# Altium PCB BetaPCB.PcbDoc (part 2 of 2)
Units mil, origin at the board's own origin, x right, y up, seen from the top; angles counter-clockwise.
Board outline 6399.21 x 5314.96 mil, 4 copper layers (Top Layer1, Inner Layer2, Inner Layer3, Bottom Layer4), stack 60.912 mil thick; 153 components, 99 nets, 653 pads, 600 vias.
Unrouted connection lines stored in the file: 55.
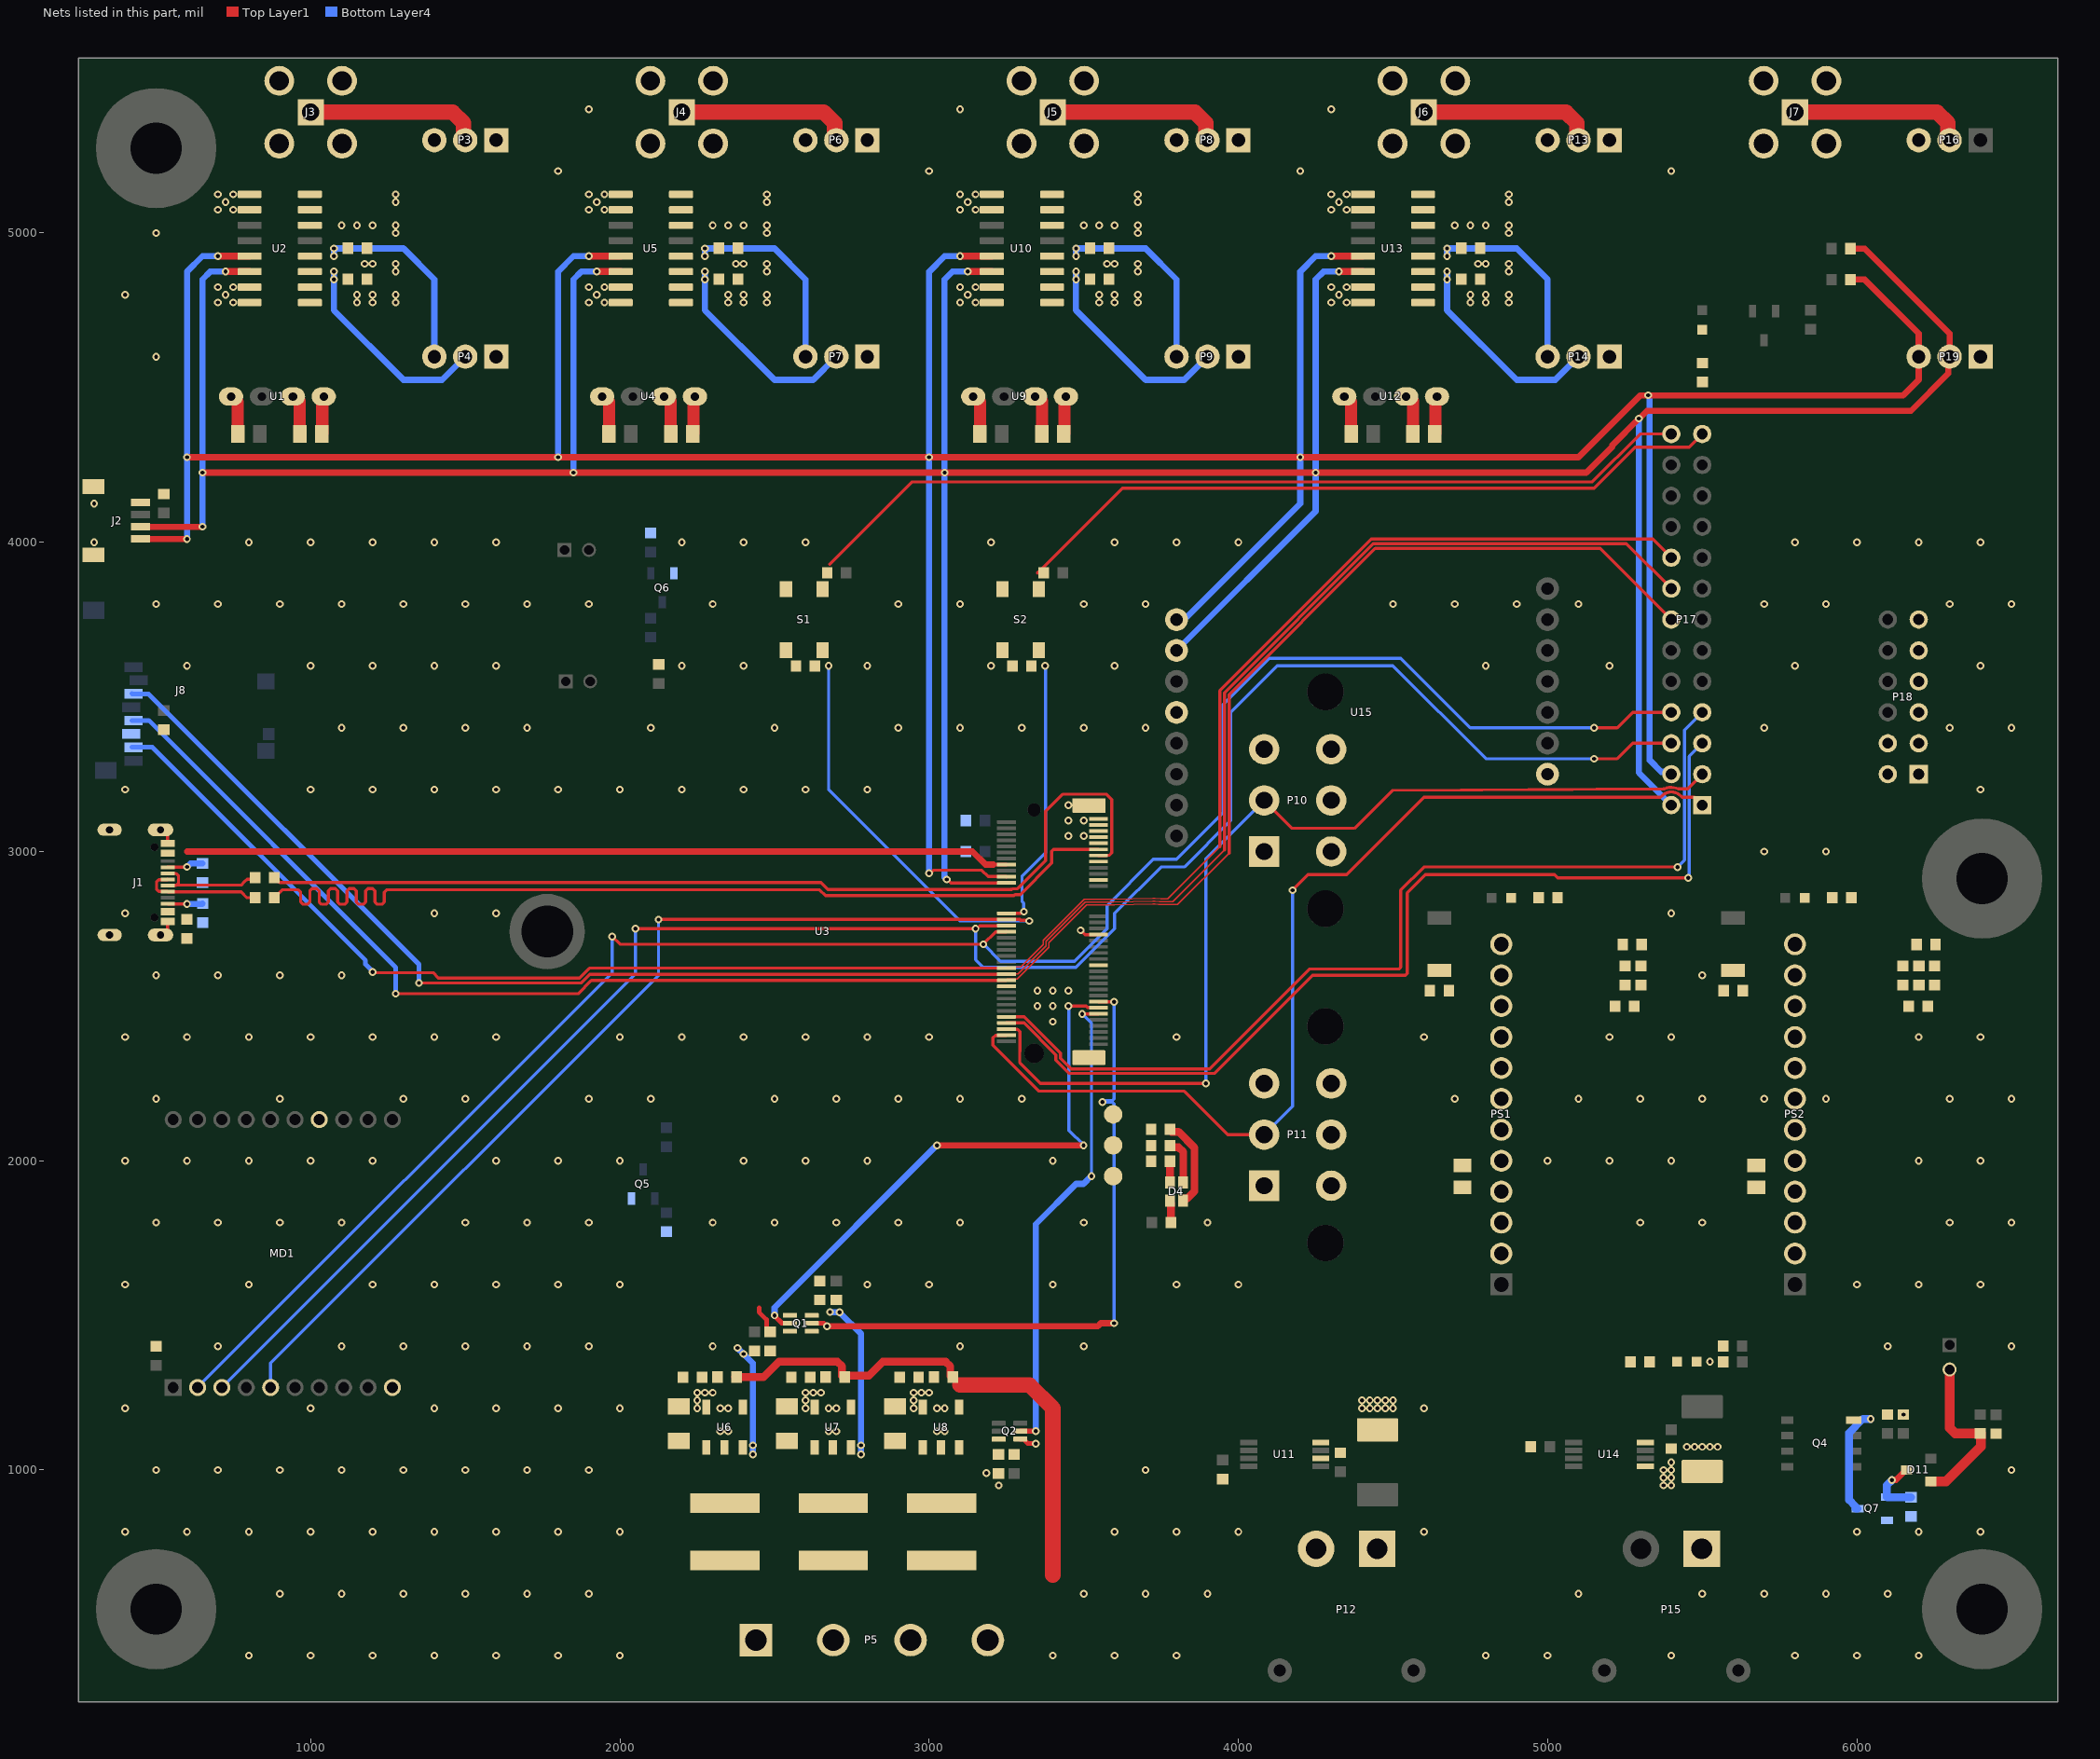
[diagram p4: the nets of this part, all layers, seen from the top]

## Via types
v1: diameter 25, hole 13, Top Layer1 to Bottom Layer4, tented both sides, 340 vias
v2: diameter 25, hole 13, Top Layer1 to Bottom Layer4, 260 vias

## Nets (pads, with @x,y where several pads share a name; then routed paths per layer and width w, separated by ;. In a path a pad name is that pad's centre, name@x,y a point inside that pad or via, vN(x,y) a via of type N, cw(c..) or ccw(c..) an arc to the next point about the centre after c; other vN are vias at no path point) (continued)
GND: C1.1 C2.1 C3.1 C4.1 C5.2 C7.2 C9.1 C10.1 C11.1 C12.1 C13.2 C14.1 C17.2 C19.1 C20.1 C22.1 C23.1 C24.1 C25.1 J1.A1_B12 J1.B1_A12 J1.S1 J1.S2 J1.S3 J1.S4 J2.1 J2.S1 J2.S2 J8.6 MD1.10 MD1.14 P10.4 P10.5 P10.6 P11.4 P11.5 P11.6 P12.2 P15.1 P18.1 P18.3 P18.5 P18.7 P18.9 P18.11 P19.1 PS1.5 PS1.6 PS1.7 PS1.8 PS2.5 PS2.6 PS2.7 PS2.8 Q1.1 Q1.4 Q2.4 Q5.2 Q6.2 Q7.2 R5.1 R10.1 R11.1 R16.1 R25.1 R29.2 R30.1 R31.1 R34.2 R35.1 R37.2 R38.1 R43.2 R46.1 R49.1 R51.1 R52.1 R54.1 R56.1 R57.1 R58.1 R59.1 S1.2 S2.2 U1.1 U2.1 U2.2 U2.7 U2.8 U3.1 U3.3 U3.5 U3.7 U3.9 U3.15 U3.21 U3.39 U3.49 U3.56 U3.S1 U3.S2 U4.1 U5.1 U5.2 U5.7 U5.8 U6.2 U7.2 U8.2 U9.1 U10.1 U10.2 U10.7 U10.8 U11.4 U12.1 U13.1 U13.2 U13.7 U13.8 U14.4 U15.4 U15.9 | length 864.4
  Top Layer1 w10: J1.S4@514.57,2729.92 522.73,2729.92 537.2,2744.4 J1.B1_A12@537.2,2774.02 ; J1.S1@514.57,3070.08 522.73,3070.08 537.2,3055.6 J1.A1_B12@537.2,3025.98 ; v1(3490,2745) 3503.9,2731.1 U3.39@3547.24,2731.1
  Top Layer1 w15: 2450,1525 2450,1510.31 2474.23,1486.08 2474.23,1456.08 2483.86,1446.46 R10.1@2485.04,1446.46 ; Q2.4@3295.08,1100 3309.84,1100 3310.22,1099.63 3310.22,1094.74 3319,1085.96 3344.04,1085.96 v1(3345,1085)
  Top Layer1 w39.37: U1.1@742.52,4471.26 747.04,4471.26 764.57,4453.73 C5.2@764.57,4350 ; U4.1@1942.52,4471.26 1947.04,4471.26 1964.57,4453.73 C7.2@1964.57,4350 ; U9.1@3142.52,4471.26 3147.04,4471.26 3164.57,4453.73 C13.2@3164.57,4350 ; U12.1@4342.52,4471.26 4347.04,4471.26 4364.57,4453.73 C17.2@4364.57,4350
  other v1: 3225,950 3185,990 2325,1125 2350,1125 2675,1125 2700,1125 3025,1125 3050,1125 6150.63,1179.45 2325,1200 2350,1200 2675,1200 2700,1200 3025,1200 3050,1200 3400,2450 3350,2500 3400,2500 3350,2550 3400,2550 3450,2550 3450,3050 3500,3050 3450,3100 3500,3100 3450,3150 300,4000 300,4125 700,4775 750,4775 1900,4775 1950,4775 3100,4775 3150,4775 4300,4775 4350,4775 725,4800 1925,4800 3125,4800 4325,4800 700,4825 750,4825 1900,4825 1950,4825 3100,4825 3150,4825 4300,4825 4350,4825 700,5075 750,5075 1900,5075 1950,5075 3100,5075 3150,5075 4300,5075 4350,5075 725,5100 1925,5100 3125,5100 4325,5100 700,5125 750,5125 1900,5125 1950,5125 3100,5125 3150,5125 4300,5125 4350,5125
  other v2: 800,400 1000,400 1200,400 1400,400 1600,400 1800,400 2000,400 3400,400 3600,400 3800,400 4800,400 5000,400 5400,400 5800,400 6000,400 6200,400 900,600 1100,600 1300,600 1500,600 1700,600 1900,600 3500,600 3700,600 3900,600 5100,600 5500,600 5700,600 5900,600 6100,600 400,800 600,800 800,800 1000,800 1200,800 1400,800 1600,800 1800,800 2000,800 3600,800 3800,800 4000,800 4600,800 6000,800 6200,800 6400,800 500,1000 700,1000 900,1000 1100,1000 1300,1000 1500,1000 1700,1000 1900,1000 3700,1000 6500,1000 400,1200 1000,1200 1400,1200 1600,1200 1800,1200 2000,1200 4600,1200 700,1400 1100,1400 1300,1400 1500,1400 1700,1400 1900,1400 2300,1400 3100,1400 3500,1400 6100,1400 6500,1400 400,1600 800,1600 1200,1600 1400,1600 1600,1600 1800,1600 2000,1600 2800,1600 3000,1600 3400,1600 3800,1600 4000,1600 6000,1600 6200,1600 6400,1600 500,1800 700,1800 900,1800 1100,1800 1500,1800 1700,1800 1900,1800 2300,1800 2500,1800 2700,1800 2900,1800 3100,1800 3500,1800 3900,1800 5300,1800 5500,1800 6300,1800 6500,1800 400,2000 600,2000 800,2000 1000,2000 1200,2000 1600,2000 1800,2000 2000,2000 2400,2000 2600,2000 2800,2000 3400,2000 5000,2000 5200,2000 5400,2000 6200,2000 6400,2000 500,2200 900,2200 1300,2200 1500,2200 1900,2200 2100,2200 2500,2200 2700,2200 2900,2200 3100,2200 3300,2200 4700,2200 5100,2200 5300,2200 5500,2200 5700,2200 5900,2200 6300,2200 6500,2200 400,2400 600,2400 800,2400 1000,2400 1200,2400 1400,2400 1600,2400 2000,2400 2200,2400 2400,2400 2600,2400 2800,2400 3000,2400 3800,2400 4600,2400 5200,2400 5400,2400 6200,2400 6400,2400 500,2600 700,2600 900,2600 1100,2600 5500,2600 400,2800 1400,2800 1600,2800 5400,2800 5700,3000 5900,3000 400,3200 1000,3200 1200,3200 1400,3200 1600,3200 1800,3200 2000,3200 2200,3200 2400,3200 2600,3200 2800,3200 6400,3200 1100,3400 1300,3400 1500,3400 1700,3400 2100,3400 2500,3400 2900,3400 3100,3400 3300,3400 3500,3400 3700,3400 5700,3400 6300,3400 6500,3400 600,3600 1000,3600 1200,3600 1400,3600 1600,3600 2200,3600 2400,3600 2800,3600 3200,3600 3600,3600 4800,3600 5200,3600 5800,3600 6400,3600 500,3800 700,3800 900,3800 1100,3800 1300,3800 1500,3800 1700,3800 1900,3800 2300,3800 2900,3800 3100,3800 3500,3800 3700,3800 4500,3800 4700,3800 4900,3800 5100,3800 5700,3800 5900,3800 6300,3800 6500,3800 800,4000 1000,4000 1200,4000 1400,4000 1600,4000 2200,4000 2400,4000 2600,4000 3200,4000 3600,4000 3800,4000 4000,4000 5800,4000 6000,4000 6200,4000 6400,4000 500,4600 400,4800 500,5000 1800,5200 3000,5200 4200,5200 5400,5200 1900,5400 3100,5400 4300,5400
ISO_GND_1: C18.1 P14.1 U12.3 U13.9 U13.10 U13.15 U13.16 | length 134.7
  Top Layer1 w39.37: U12.3@4549.91,4471.26 4564.57,4456.6 C18.1@4564.57,4350
  Top Layer1 w50: U12.3@4542.52,4471.26 U12.3@4549.91,4471.26
  other v1: 4750,4775 4800,4775 4875,4775 4750,4800 4800,4800 4875,4800 4875,4875 4875,4900 4875,5000 4875,5025 4875,5100 4875,5125
ISO_GND_2: C15.1 P9.1 U9.3 U10.9 U10.10 U10.15 U10.16 | length 134.7
  Top Layer1 w39.37: U9.3@3349.91,4471.26 3364.57,4456.6 C15.1@3364.57,4350
  Top Layer1 w50: U9.3@3342.52,4471.26 U9.3@3349.91,4471.26
  other v1: 3550,4775 3600,4775 3675,4775 3550,4800 3600,4800 3675,4800 3675,4875 3675,4900 3675,5000 3675,5025 3675,5100 3675,5125
ISO_GND_3: C8.1 P7.1 U4.3 U5.9 U5.10 U5.15 U5.16 | length 134.7
  Top Layer1 w39.37: U4.3@2149.91,4471.26 2164.57,4456.6 C8.1@2164.57,4350
  Top Layer1 w50: U4.3@2142.52,4471.26 U4.3@2149.91,4471.26
  other v1: 2350,4775 2400,4775 2475,4775 2350,4800 2400,4800 2475,4800 2475,4875 2475,4900 2475,5000 2475,5025 2475,5100 2475,5125
ISO_GND_4: C6.1 P4.1 U1.3 U2.9 U2.10 U2.15 U2.16 | length 134.7
  Top Layer1 w39.37: U1.3@949.91,4471.26 964.57,4456.6 C6.1@964.57,4350
  Top Layer1 w50: U1.3@942.52,4471.26 U1.3@949.91,4471.26
  other v1: 1150,4775 1200,4775 1275,4775 1150,4800 1200,4800 1275,4800 1275,4875 1275,4900 1275,5000 1275,5025 1275,5100 1275,5125
ISO_SCL_1: P14.3 R27.1 U13.12 | length 641.4
  Bottom Layer4 w20: v1(4675,4925) v1(4675,4950) 4900,4950 5000,4850 P14.3@5000,4600
ISO_SCL_2: P9.3 R19.1 U10.12 | length 641.4
  Bottom Layer4 w20: v1(3475,4925) v1(3475,4950) 3700,4950 3800,4850 P9.3@3800,4600
ISO_SCL_3: P7.3 R7.1 U5.12 | length 641.4
  Bottom Layer4 w20: v1(2275,4925) v1(2275,4950) 2500,4950 2600,4850 P7.3@2600,4600
ISO_SCL_4: P4.3 R3.1 U2.12 | length 641.4
  Bottom Layer4 w20: v1(1075,4925) v1(1075,4950) 1300,4950 1400,4850 P4.3@1400,4600
ISO_SDA_1: P14.2 R28.1 U13.11 | length 674.3
  Bottom Layer4 w20: v1(4675,4875) v1(4675,4850) 4675,4750 4900,4525 5025,4525 P14.2@5100,4600
ISO_SDA_2: P9.2 R20.1 U10.11 | length 674.3
  Bottom Layer4 w20: v1(3475,4875) v1(3475,4850) 3475,4750 3700,4525 3825,4525 P9.2@3900,4600
ISO_SDA_3: P7.2 R8.1 U5.11 | length 674.3
  Bottom Layer4 w20: v1(2275,4875) v1(2275,4850) 2275,4750 2500,4525 2625,4525 P7.2@2700,4600
ISO_SDA_4: P4.2 R4.1 U2.11 | length 674.3
  Bottom Layer4 w20: v1(1075,4875) v1(1075,4850) 1075,4750 1300,4525 1425,4525 P4.2@1500,4600
ISO_VCC_1: C18.2 P13.1 R27.2 R28.2 U12.4 U13.14 | length 121.1
  Top Layer1 w39.37: C18.2@4637.6,4352.17 4637.6,4466.34 U12.4@4642.52,4471.26
  other v1: 4775,4900 4800,4900 4700,5025 4750,5025 4800,5025
ISO_VCC_2: C15.2 P8.1 R19.2 R20.2 U9.4 U10.14 | length 121.1
  Top Layer1 w39.37: C15.2@3437.6,4352.17 3437.6,4466.34 U9.4@3442.52,4471.26
  other v1: 3575,4900 3600,4900 3500,5025 3550,5025 3600,5025
ISO_VCC_3: C8.2 P6.1 R7.2 R8.2 U4.4 U5.14 | length 121.1
  Top Layer1 w39.37: C8.2@2237.6,4352.17 2237.6,4466.34 U4.4@2242.52,4471.26
  other v1: 2375,4900 2400,4900 2300,5025 2350,5025 2400,5025
ISO_VCC_4: C6.2 P3.1 R3.2 R4.2 U1.4 U2.14 | length 124.2
  Top Layer1 w39.37: C6.2@1035.43,4350 1037.6,4352.17 1037.6,4466.34 U1.4@1042.52,4471.26
  other v1: 1175,4900 1200,4900 1100,5025 1150,5025 1200,5025
LED_Anode: P5.4 R6.2 R12.2 R15.2 U6.4 U7.4 U8.4 | length 1689.3
  Top Layer1 w25: R6.2@2371.96,1300.63 2395.23,1300.63 2441.78,1300.63 2465.05,1300.63 2514.42,1350 2703.57,1350 2718.22,1335.36 2718.22,1304.37 2721.96,1300.63 2721.96,1300.9 2726.58,1305.53 2805.53,1305.53 2850,1350 3053.57,1350 3068.22,1335.36 3068.22,1304.37 R15.2@3071.96,1300.63
  Top Layer1 w50: 3100,1275 3325,1275 3400,1200 3400,660.01
LED_B: L3.2 P5.3
LED_G: L2.2 P5.2
LED_R: L1.2 P5.1
MCU_RGBB: pad.13@3595,1950 Q2.5 R23.2 U3.65 | length 1553.5
  Top Layer1 w10: v1(3495,2474.5) 3495.35,2474.85 3546.9,2474.85 U3.65@3547.24,2475.2
  Top Layer1 w15: Q2.5@3295.08,1125.59 Q2.5@3295.45,1125.22
  Top Layer1 w15.75: Q2.5@3295.08,1125.59 v1(3345,1125.59)
  Bottom Layer4 w10: v1(3495,2474.5) 3525,2444.5 v1(3525,1950)
  Bottom Layer4 w20: v1(3345,1125.59) 3345,1795 3475.38,1925.38 3499.02,1925.38 3523.65,1950 v1(3525,1950)
MCU_RGBG: pad.13@3595,2050 Q1.2 R22.2 U3.63 | length 1873.5
  Top Layer1 w10: v1(3450,2500) 3507.53,2500 3511.87,2495.66 3546.46,2495.66 U3.63@3547.24,2494.88
  Top Layer1 w15.75: v1(2500,1500) 2500.81,1499.19 2500.81,1497.38 2523.78,1474.41 Q1.2@2550,1474.41
  Top Layer1 w20: v1(3025,2050) v1(3499.5,2050)
  Bottom Layer4 w10: v1(3450,2500) 3452.24,2497.76 3452.24,2097.76 3499.5,2050.5 v1(3499.5,2050)
  Bottom Layer4 w20: v1(2500,1500) 2500,1525 v1(3025,2050)
MCU_RGBR: pad.13@3595,2150 Q1.5 R21.2 U3.61 | length 2137
  Top Layer1 w10: U3.61@3547.24,2514.57 3547.63,2514.18 3597.85,2514.18 v1(3598.24,2513.79)
  Top Layer1 w15: v1@2668.65,1465 v1(2670,1465) ; R21.2@3718.03,2099.37 R21.2@3718.03,2100.55
  Top Layer1 w15.75: Q1.5@2620.08,1474.41 2659.24,1474.41 v1@2668.65,1465
  Top Layer1 w20: v1(2670,1465) 3545.74,1465 3555.24,1474.5 v1(3598.24,1474.5)
  Bottom Layer4 w10: v1(3560,2190) v1@3567.59,2190 ; v1(3598.24,1474.5) 3598.24,2184.14 3592.38,2190 3572.38,2190 v1@3567.59,2190 ; v1(3598.24,2513.79) 3598.24,2200.65 3592.38,2194.79 3572.38,2194.79 v1@3567.59,2190
MCU_Rx: MD1.2 P17.8 U3.38 | length 6332.5
  Top Layer1 w10: v1(1975,2725) 2000,2700 v1(3175.5,2700) ; v1@3175,2700.54 3214.62,2740.17 3249.22,2740.17 U3.38@3250,2740.94 ; v1(5150,3400) 5225,3400 5275,3450 P17.8@5400,3450
  Bottom Layer4 w10: MD1.2@634.25,1266.93 1975,2607.68 v1(1975,2725) ; v1(3175.5,2700) 3231,2644.5 3469.5,2644.5 3575,2750 3575,2825 3725,2975 3800,2975 3950,3125 3950,3475 4100,3625 4525,3625 4750,3400 v1(5150,3400)
MCU_Tx: MD1.3 P17.6 U3.36 | length 6386.2
  Top Layer1 w10: v1(2050,2750.5) 2050.5,2750 3149.5,2750 v1(3150,2750.5) ; v1@3150,2750 3153.51,2750 3163.36,2759.85 3249.22,2759.85 U3.36@3250,2760.63 ; v1(5150,3300) 5225,3300 5275,3350 P17.6@5400,3350
  Bottom Layer4 w10: MD1.3@712.99,1266.93 2050,2603.94 v1(2050,2750.5) ; v1(3150,2750.5) 3150,2650 3175,2625 3475,2625 3600,2750 3600,2800 3750,2950 3825,2950 3975,3100 3975,3450 4125,3600 4500,3600 4800,3300 v1(5150,3300)
MCU_USB_D_N: J1.A7 J1.B7 R1.1 | length 365.8
  Top Layer1 w10: J1.A7@537.2,2890.16 537.98,2890.94 565.23,2890.94 565.61,2891.32 ; J1.B7@537.2,2929.53 537.98,2928.75 565.23,2928.75 572.84,2921.13 572.84,2898.55 565.61,2891.32 ; R1.1@820.55,2915.63 815.52,2910.6 794.28,2910.6 786.01,2902.32 775,2891.32 565.61,2891.32
MCU_USB_D_P: J1.A6 J1.B6 R2.1 | length 393.9
  Top Layer1 w10: J1.A6@537.2,2909.84 537.98,2909.06 509.18,2909.06 501.57,2901.45 501.57,2878.87 509.18,2871.25 536.43,2871.25 J1.B6@537.2,2870.47 537.98,2869.69 565.23,2869.69 565.61,2869.32 775,2869.32 793.69,2850.63 R2.1@820.55,2850.63
MISO: J8.7 P17.18 U3.50 | length 6211.7
  Top Layer1 w4.5: U3.50@3250,2622.83 3253.53,2626.36 3296.36,2626.36 3369,2699 3369,2713.22 3501.21,2845.43 3592.67,2845.43 3723.52,2848.73 cw(c3725,2790) 3730.74,2848.47 3748.29,2846.75 3771.75,2846.75 3940,3015
  Top Layer1 w10: v1(1200,2610) 1201.94,2608.06 1395.73,2608.06 1412.89,2590.9 1869.68,2590.9 1901.62,2622.83 U3.50@3250,2622.83 ; 3940,3015 3940,3519.85 4430.15,4010 5340,4010 P17.18@5400,3950
  Bottom Layer4 w15: J8.7@422.44,3337.01 487.99,3337.01 1177.45,2647.55 1177.45,2635.26 1200,2612.71 v1(1200,2610)
Mode: C14.2 P17.25 R18.1 S2.1 U3.32 | length 3223.6
  Top Layer1 w10: U3.32@3250,2800 3297.65,2800 3302.97,2805.32 v1(3306.16,2805.32) ; 3350,3900 3361.18,3911.18 3625,4175 5150,4175 5282.47,4307.47 5457.47,4307.47 P17.25@5500,4350
  Bottom Layer4 w10: v1(3306.16,2805.32) 3305.51,2805.96 3305.51,2832.82 3300.51,2837.82 3300.51,2920.51 3376.22,2996.22 3376.22,3598.78 v1(3375,3600)
MOSI: J8.3 P17.16 U3.52 | length 6354.2
  Top Layer1 w4.5: U3.52@3249.22,2602.37 3251.38,2604.53 3287.26,2604.53 3378,2695.27 3378,2709.49 3504.94,2836.43 3596.39,2836.43 3723.66,2839.73 cw(c3725,2790) 3730.98,2839.39 3744.56,2837.75 3787.75,2837.75 3955,3005
  Top Layer1 w10: v1(1350,2575) 1875,2575 1902.37,2602.37 U3.52@3249.22,2602.37 ; 3955,3005 3955,3513.64 4436.36,3995 5255,3995 P17.16@5400,3850
  Bottom Layer4 w15: J8.3@422.44,3510.24 423.36,3509.32 475.68,3509.32 1350,2635 v1(1350,2575)
NetC19_2: C19.2 D5.1 PS1.9 PS1.10 PS1.11 R32.2
NetC22_2: C22.2 D9.1 PS2.9 PS2.10 PS2.11 R45.2 R47.2
NetD1_1: D1.1 L1.1 U6.1
NetD2_1: D2.1 L2.1 U7.1
NetD3_1: D3.1 L3.1 U8.1
NetD4_1: D4.1 R24.2 | length 71.3
  Top Layer1 w25: D4.1@3778.35,1870.47 3778.35,1866.54 3781.97,1862.91 R24.2@3781.97,1800.63
NetD4_2: D4.2 R23.1 | length 70.3
  Top Layer1 w25: D4.2@3778.35,1929.53 3778.9,1930.08 3778.9,1998.82 R23.1@3779.45,1999.37
NetD4_3: D4.3 R22.1 | length 150.7
  Top Layer1 w25: R22.1@3779.45,2049.34 3779.45,2048.19 3784.07,2043.56 3807.01,2043.56 3821.65,2028.92 D4.3@3821.65,1929.53
NetD4_4: D4.4 R21.1 | length 295
  Top Layer1 w25: R21.1@3779.45,2099.37 3779.45,2098.19 3784.07,2093.56 3806.44,2093.56 3857.9,2042.1 3857.9,1901.35 3834.21,1877.66 3824.9,1877.66 3821.65,1874.41 D4.4@3821.65,1870.47
NetD6_1: D6.1 R29.1
NetD7_1: D7.1 R34.1
NetD8_1: D8.1 R37.1
NetD10_1: D10.1 R43.1
NetJ1_A5: J1.A5 R57.2 | length 117.9
  Top Layer1 w10: J1.A5@537.2,2949.21 537.6,2949.61 599.61,2949.61 v1(600,2950)
  Bottom Layer4 w20: v1(600,2950) 611.42,2961.42 R57.2@650,2961.42
NetJ1_B5: J1.B5 R56.2 | length 114.7
  Top Layer1 w10: J1.B5@537.2,2831.1 537.76,2830.55 599.45,2830.55 v1(600,2830)
  Bottom Layer4 w20: v1(600,2830) 648.66,2830 R56.2@650.63,2831.97
NetPS1_12: PS1.12 R31.2 R33.1
NetPS2_12: PS2.12 R45.1 R48.1 R58.2
NetQ4_4: Q4.4 Q7.3 R44.1 | length 349.1
  Bottom Layer4 w25: Q7.3@6002.76,875 5996.26,875 5995.57,875.69 5995.57,882.19 5975,902.76 5975,1120.23 6019.77,1165 v1(6045,1165)
NetR32_1: R32.1 R33.2 R35.2
NetR47_1: R47.1 R48.2 R49.2
Power_Gate_Switch: D11.3 Q7.1 R59.2 | length 200.6
  Top Layer1 w20: v1(6113.39,967.38) 6114.34,968.34 6127,968.34 6158.66,1000 D11.3@6160.63,1000
  Bottom Layer4 w25: v1(6113.39,967.38) 6097.24,951.24 Q7.1@6097.24,912.4 6097.93,911.71 6118.9,911.71 6119.19,911.42 R59.2@6175,911.42
PRB1: J6.1 P13.2 | length 566.8
  Top Layer1 w50: J6.1@4600,5390.55 5059.45,5390.55 5094.5,5355.5 5094.5,5305.5 P13.2@5100,5300
PRB2: J5.1 P8.2 | length 566.8
  Top Layer1 w50: J5.1@3400,5390.55 3859.45,5390.55 3894.5,5355.5 3894.5,5305.5 P8.2@3900,5300
PRB3: J4.1 P6.2 | length 566.8
  Top Layer1 w50: J4.1@2200,5390.55 2659.45,5390.55 2694.5,5355.5 2694.5,5305.5 P6.2@2700,5300
PRB4: J3.1 P3.2 | length 566.8
  Top Layer1 w50: J3.1@1000,5390.55 1459.45,5390.55 1494.5,5355.5 1494.5,5305.5 P3.2@1500,5300
PRB_GND_1: J6.2 J6.3 J6.4 J6.5 P13.3
PRB_GND_2: J5.2 J5.3 J5.4 J5.5 P8.3
PRB_GND_3: J4.2 J4.3 J4.4 J4.5 P6.3
PRB_GND_4: J3.2 J3.3 J3.4 J3.5 P3.3
PWM0: P17.7 U3.66 | length 3200.1
  Top Layer1 w10: U3.66@3250,2465.35 3307.72,2465.35 3424.5,2348.57 3424.5,2331.63 3459.29,2296.84 3906.84,2296.84 4230,2620 4519.14,2620 4525,2625.86 4525,2875 4600,2950 5419.5,2950 v1(5420,2949.5)
  Bottom Layer4 w10: v1(5420,2949.5) 5420,2949.97 5442.53,2972.5 5442.53,3392.53 P17.7@5500,3450
PWM1: P17.5 U3.68 | length 3159.3
  Top Layer1 w10: U3.68@3250,2445.67 3306.9,2445.67 3410,2342.57 3410,2325 3452.66,2282.34 3922.34,2282.34 4240,2600 4540.05,2600 4545.91,2605.86 4545.91,2865.91 4605,2925 5022.97,2925 5032.97,2915 v1(5455,2915)
  Bottom Layer4 w10: v1(5455,2915) 5457.47,2917.47 5457.47,3307.47 P17.5@5500,3350
PWM2: P10.3 P17.3 U3.70 | length 3296
  Top Layer1 w10: U3.70@3250,2425.98 3250.78,2425.2 3285.38,2425.2 3293.51,2417.07 3293.51,2354.29 3292.94,2353.71 3292.94,2346.71 3292.94,2317.06 3360,2250 v1(3895,2250) ; P10.3@4083.46,3165.35 4173.82,3075 4375,3075 4497.07,3197.07 5375.04,3202.18 5375.09,3202.18 ccw(c5374.98,3212.18) 5378.66,3202.89 cw(c5400,3150) 5422.34,3202.47 5424.35,3202.47 5428.03,3202.49 5428.09,3202.49 5452.9,3202.93 ; 5452.93,3202.93 P17.3@5500,3250
  Bottom Layer4 w10: v1(3895,2250) 3895,2976.89 P10.3@4083.46,3165.35
PWM3: P11.3 P17.1 U3.72 | length 3366.5
  Top Layer1 w10: U3.72@3250,2406.3 3249.22,2405.52 3214.62,2405.52 3206.49,2397.39 3206.49,2373.51 3355,2225 3825,2225 3965.35,2084.65 P11.3@4083.46,2084.65 ; v1(4175,2875) 4225,2925 4350,2925 4600,3175 5360.83,3175 5364.86,3175 5369.93,3180.07 cw(c5400,3150) 5430.07,3180.07 5435.14,3175 5439.17,3175 5475,3175 5477.93,3172.07 P17.1@5500,3150
  Bottom Layer4 w10: P11.3@4083.46,2084.65 4175,2176.18 v1(4175,2875)
Pwr_Button_Board_Side: D11.1 P20.2 R50.2 | length 547.3
  Top Layer1 w31.5: D11.1@6239.37,962.6 6287.6,962.6 6400.63,1075.63 6400.63,1118.03 6318.45,1118.03 6300,1136.48 P20.2@6300,1325
Reset: C11.2 MD1.5 P17.26 R13.1 S1.1 U3.34 | length 7355.7
  Top Layer1 w10: v1(2125,2780) 2125.16,2780.16 3249.84,2780.16 U3.34@3250,2780.32 ; 2677.95,3927.95 2945,4195 5145,4195 5300,4350 P17.26@5400,4350
  Top Layer1 w11: U3.34@3250,2780.32 3250.28,2780.04 3293.31,2780.04 3295.49,2777.86 3321.28,2777.86 v1(3323.96,2775.18)
  Bottom Layer4 w10: MD1.5@870.47,1266.93 870.47,1345.47 2125,2600 v1(2125,2780) ; v1(2675,3600) 2675,3200 3099,2776 3208.04,2776 3208.86,2775.18 v1(3323.96,2775.18)
SCK: J8.5 P17.14 U3.54 | length 6394.3
  Top Layer1 w4.5: U3.54@3249.22,2582.68 3253.53,2586.99 3284.24,2586.99 3387,2689.76 3387,2705.76 3508.66,2827.43 3600.12,2827.43 3723.85,2830.73 cw(c3725,2790) 3731.4,2830.25 3740.83,2828.75 3803.75,2828.75 3970,2995
  Top Layer1 w10: v1(1275,2540) 1865,2540 1907.68,2582.68 U3.54@3249.22,2582.68 ; 3970,2995 3970,3507.43 4442.57,3980 5170,3980 P17.14@5400,3750
  Bottom Layer4 w15: J8.5@422.44,3423.62 476.38,3423.62 1275,2625 v1(1275,2540)
SCL: J2.4 P17.4 P19.3 R41.1 U2.5 U3.20 U5.5 U10.5 U13.5 U15.1 | length 13438.4
  Top Layer1 w10: v1(3000,2930) 3003.96,2930 3013.36,2939.39 3170.61,2939.39 3191.11,2918.89 3249.22,2918.89 U3.20@3250,2918.11
  Top Layer1 w20: J2.4@450,4010.63 599.37,4010.63 v1(600,4010) ; v1(600,4275) v1(1800,4275) v1(3000,4275) v1(4200,4275) 5100,4275 5300,4475 v1(5325,4475) 6150,4475 6200,4525 P19.3@6200,4600 6200,4675 6025.63,4849.37 R41.1@5979.45,4849.37
  Top Layer1 w23.23: v1(700,4925) U2.5@802.56,4925 ; v1(1900,4925) U5.5@2002.56,4925 ; v1(3100,4925) U10.5@3202.56,4925 ; v1(4300,4925) U13.5@4402.56,4925
  Bottom Layer4 w20: v1(600,4010) v1(600,4275) 600,4875 650,4925 v1(700,4925) ; v1(1800,4275) 1800,4875 1850,4925 v1(1900,4925) ; v1(3000,2930) v1(3000,4275) 3000,4875 3050,4925 v1(3100,4925) ; U15.1@3800,3750 3810.33,3760.33 3835.33,3760.33 4200,4125 v1(4200,4275) 4200,4875 4250,4925 v1(4300,4925) ; v1(5325,4475) 5330,4470 5330,3295 5367.53,3257.47 5392.53,3257.47 P17.4@5400,3250